# KiCad board Bongo-Cat-Fidget-Toy-panel.kicad_pcb (continued)
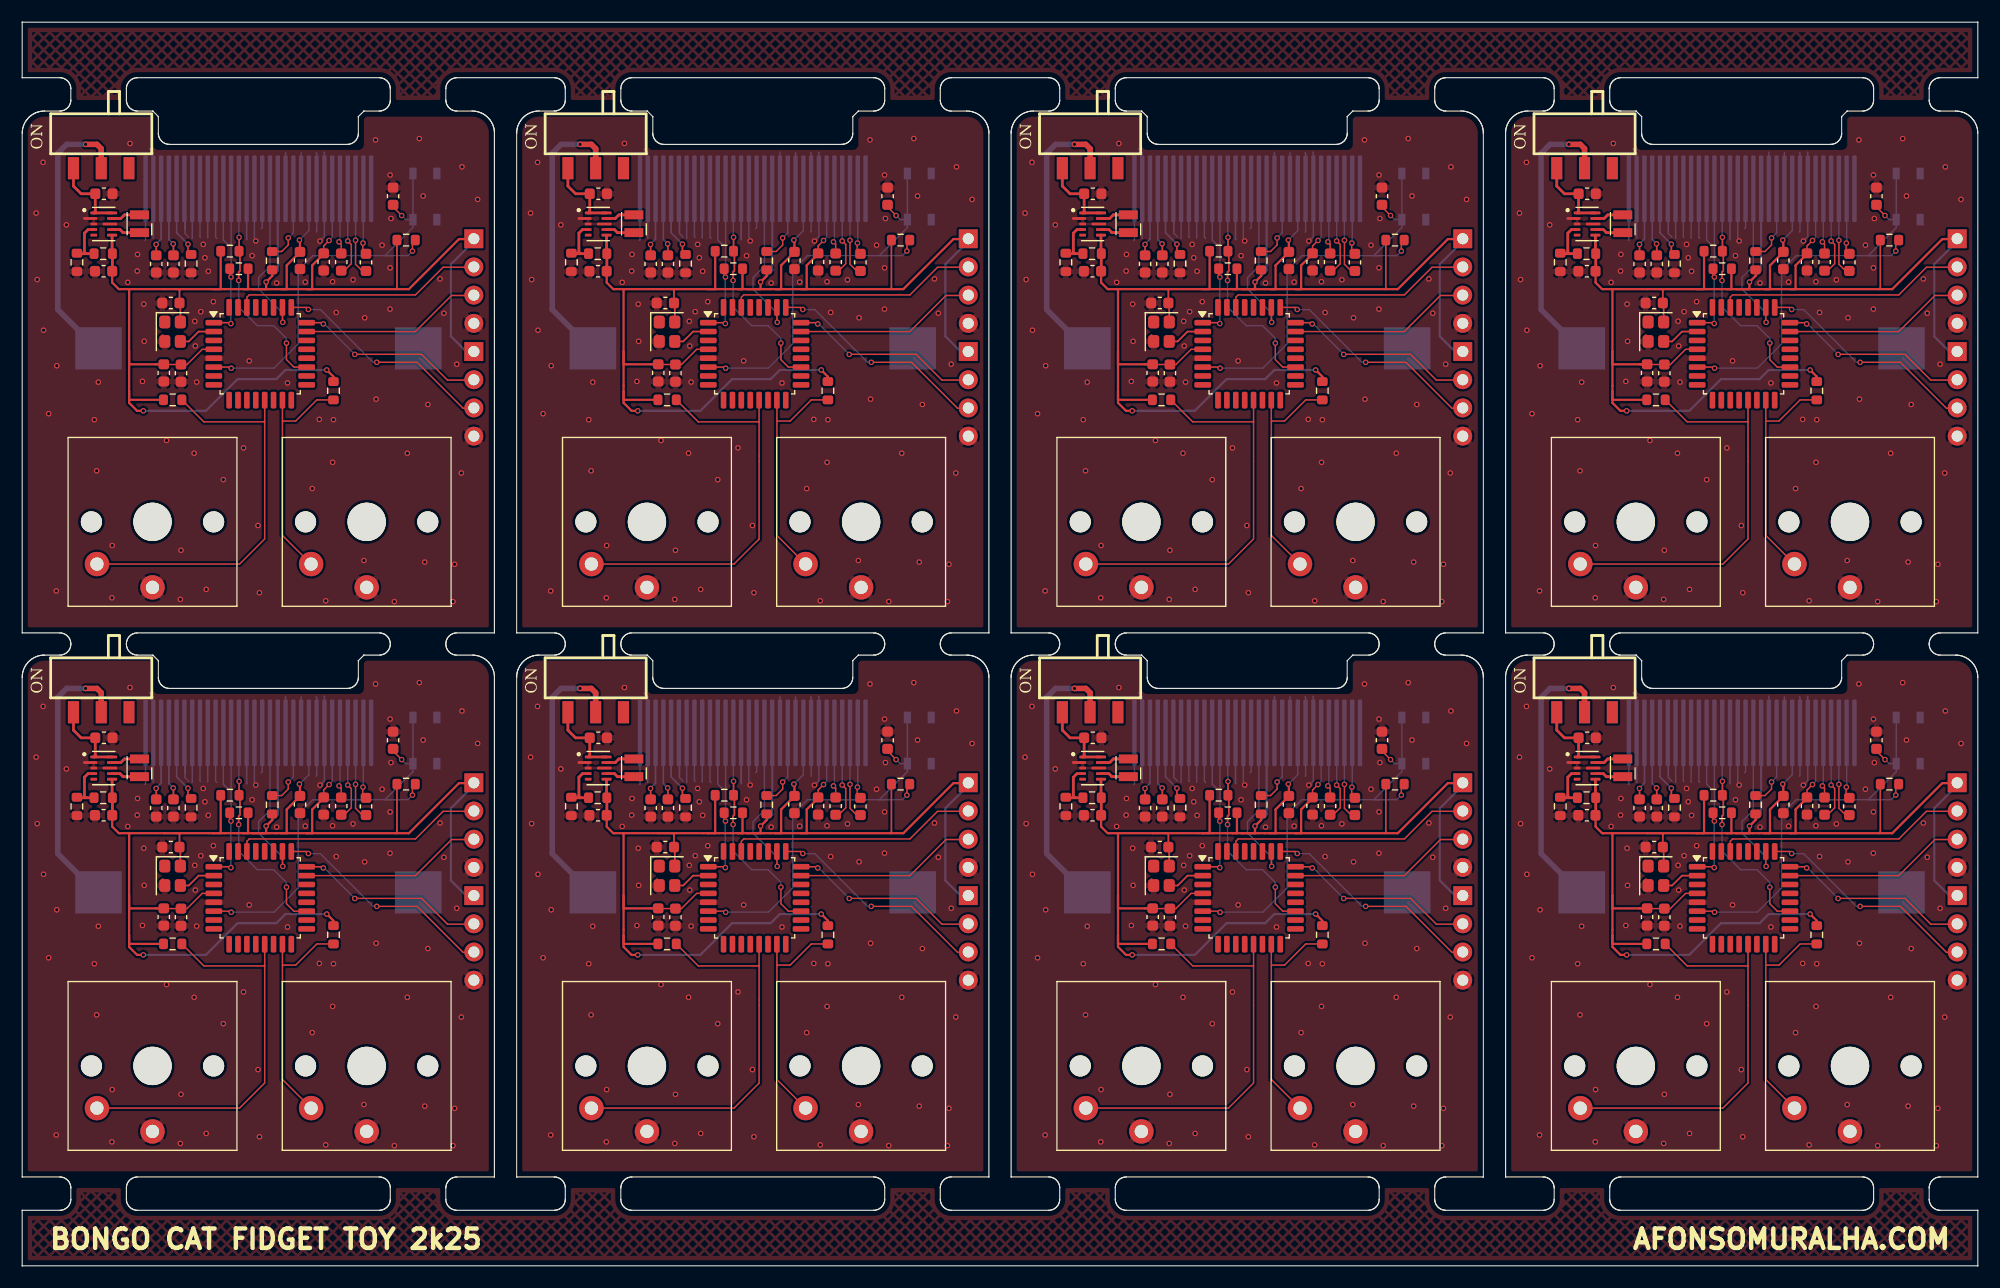
[diagram p0: board, top side]
## Routing (per net, layer and track width the routed paths; a pad name or vN(x,y) marks a point on that pad's centre or on a via; arc(x,y) is an arc through that point) (continued)
Board_1-/SWCLK: length 20.4
  Top w0.127: v1(70.25,86.13) 70.06,86.32 U1#6.25 ; v1(76.41,81.37) 80.04,81.37 84.18,77.23 85.34,77.23
  Bottom w0.127: v1(70.25,86.13) 70.26,86.12 71.33,86.12 76.08,81.37 v1(76.41,81.37)
Board_1-/SWDIO: length 17.4
  Top w0.127: U1#6.24 71.49,84.94 v1(71.6,84.83) ; 85.34,79.77 82.77,79.77 80.45,82.09 74.44,82.09 v1(74.43,82.08) ; 69.95,84.96 69.94,84.95
  Bottom w0.127: v1(71.6,84.83) 71.69,84.83 74.43,82.09 v1(74.43,82.08)
Board_1-/UART_RX: length 16.6
  Top w0.127: 85.34,87.39 83.14,87.39 79.89,84.14 U1#6.23
Board_1-/UART_TX: length 22.8
  Top w0.127: 85.34,89.93 82.38,89.93 79.89,87.44 64.93,87.44 64.72,87.23 U1#6.30 ; 64.72,86.5 64.73,86.51 64.73,86.6
Board_1-/XTAL_IN: length 3.4
  Top w0.127: 61.72,84.12 U1#6.2
  Top w0.152: Y1#5.3 59.49,83.25 60.38,84.14 U1#6.2
Board_1-GND: length 108.5
  Top w0.127: 57.13,83.83 57.16,83.83
  Top w0.25: 51,89.39 51.08,89.31 ; 50.1,94.33 U101#4.2
  Bottom w0.127: J1#6.10 69.6,100.25 ; 65.4,99.48 65.4,92.63 65.38,92.6 ; 56.3,99.26 56.3,92.57 56.28,92.55 ; 70.95,100.25 71,100.2 J1#6.8 71,93.15 70.95,93.1 ; 61.2,99.4 61.2,92.6 61.17,92.58 ; J1#6.12 68.2,100.3 ; 60.5,99.43 60.5,92.68 60.55,92.63 ; 62,92.53 61.9,92.63 61.9,99.5 ; 59.8,99.58 59.8,92.55 59.83,92.53 ; 66,93.4 66.1,93.5 J1#6.15 ; 71.65,100.3 71.7,100.25 J1#6.7 ; 59.15,95.95 59.1,96 59.1,99.45 ; 59.15,95.95 59.15,93.25 ; 59.15,95.95 59.15,92.98 59.47,92.65 ; 55.6,99.41 55.6,92.4 55.55,92.35 ; 71.7,96 71.7,92.69 v1(71.3,92.29) ; 68.2,96 68.2,99.61 ; 71,96 71,99.51 ; 69.6,96 69.6,99.64 ; 66.1,99.33 66.1,96 ; J1#6.29 56.3,100.25 55.95,100.6
  Bottom w0.15: 64.7,96 64.7,92.45 64.72,92.43 ; 64.7,96 64.73,95.97 ; 64.7,96 64.7,99.43
  vias: v1(45.75,94.81) v1(45.85,88.82) v1(46.38,99.38) v1(46.42,84.26) v1(46.88,76.74) v1(47.61,81.06) v1(47.56,60.78) v1(48.47,93.75) v1(50.99,76.2) v1(51.2,71.6) v1(51.35,79.58) v1(52.6,64.87) v1(52.57,60.16) v1(54,88.57) v1(54.2,101.08) v1(54.85,89.59) v1(54.88,91.09) v1(55.32,79.65) v1(55.44,86.61) v1(55.48,83.26) v1(57.49,74.33) v1(58.73,60.02) v1(58.79,64.44) v1(60.03,85.07) v1(59.97,73.18) v1(60.08,82.84) v1(60.2,79.59) v1(60.57,85.93) v1(60.79,91.99) v1(60.94,90.79) v1(61.06,60.92) v1(61.24,89.57) v1(61.7,86.83) v1(62.6,70.8) v1(64.42,73.66) v1(64.93,81.5) v1(65.19,90.97) v1(65.52,92.3) v1(65.72,66.67) v1(65.85,60.62) v1(67.4,88.51) v1(68.38,79.51) v1(69.97,88.6) v1(70.6,70) v1(71.24,76.23) v1(71.82,59.89) v1(72.43,88.63) v1(72.44,72.36) v1(72.51,76.2) v1(72.76,85.86) v1(74.27,88.8) v1(75.32,85.38) v1(75.25,63.52) v1(76.3,101.4) v1(76.35,78.05) v1(76.89,91.92) v1(77.61,98.24) v1(77.61,89.88) v1(77.6,86.16) v1(77.69,94.32) v1(77.99,59.82) v1(79.16,73.18) v1(80.24,101.52) v1(80.58,96.35) v1(80.73,63.38) v1(81.01,77.57) v1(82.1,88.88) v1(82.45,85.79) v1(83.27,59.82) v1(83.41,63.18) v1(83.61,81.2) v1(84.02,71.4) v1(84.08,98.97) v1(85.49,96.04)
Board_1-Net-(BT1-+): length 25.3
  Top w0.5: SW5#4.2 51.61,100.62 51.22,101 v1(50.2,101)
  Bottom w0.5: v1(50.2,101) 48.5,101 47.7,100.2 47.7,86.12 51.19,82.63 BT1#8.1
Board_1-Net-(J1-Pin_2): length 4.9
  Top w0.127: 75.15,91.14 75.15,92.09 v1(75.17,92.11)
  Bottom w0.127: 75.2,96 75.2,92.14 v1(75.17,92.11)
Board_1-Net-(J1-Pin_3): length 7
  Top w0.127: v1(74.5,92.36) 74.5,90.2 75.1,89.6 C9#7.1
  Bottom w0.127: 74.5,96 v1(74.5,92.36)
Board_1-Net-(J1-Pin_4): length 7.1
  Top w0.127: v1(73.8,92.3) 74.12,91.98 74.12,90.25 73.5,89.63 C8#7.2
  Bottom w0.127: v1(73.8,92.3) 73.8,96
Board_1-Net-(J1-Pin_5): length 4.9
  Top w0.127: C8#7.1 73.21,92.02 v1(73.01,92.22)
  Bottom w0.127: v1(73.01,92.22) 73.1,92.31 73.1,96
Board_1-Net-(J1-Pin_26): length 5.1
  Top w0.15: v1(59.42,92.01) 59.42,91.31 59.4,91.29
  Bottom w0.15: v1(59.42,92.01) 58.4,93.03 58.4,96
Board_1-Net-(J1-Pin_27): length 5.2
  Top w0.15: v1(58.09,92.04) 58.11,92.02 C12#7.2
  Bottom w0.15: 57.7,96 57.7,92.43 v1(58.09,92.04)
Board_1-Net-(J1-Pin_28): length 5.2
  Top w0.15: v1(56.55,91.99) 56.56,91.98 C13#2.2
  Bottom w0.15: 57,96 57,92.48 56.55,92.03 v1(56.55,91.99)
Board_1-Net-(SW5-C): length 7.3
  Top w0.25: U101#4.10 U101#4.1 51.08,94.96 51.08,96.55 49.8,96.55 49.11,97.24 SW5#4.1
Board_1-Net-(U101-FB): length 4.4
  Top w0.25: R4#7.1 49.47,91.16 50.22,91.16 ; 50.22,91.16 50.1,91.28 50.1,93 50.42,93.33 U101#4.4 ; 50.22,91.16 R6#3.2
Board_1-Net-(U101-L1): length 2.6
  Top w0.25: L102#4.1 53.7,94.65 53.38,94.33 U101#4.9
Board_1-Net-(U101-L2): length 2.6
  Top w0.25: U101#4.7 53.3,93.33 53.58,93.05 53.57,93.05 L102#4.2
Board_2-3V3: length 142.2
  Top w0.127: 123.04,92.38 122.75,92.09 ; v1(116.62,92.34) 116.13,91.85 C10#7.2 116.13,90.95 ; 101,81.19 101.12,81.19 101.14,81.17 C3#8.1 103.83,81.17 105.2,82.54 U1#5.4 ; 102,77.96 102.03,77.99
  Top w0.15: 122.65,87.96 122.72,88.04 122.72,92.38
  Top w0.152: 101.76,87.96 103.05,87.96 103.16,87.86 C6#7.1 103.16,86.68 103.23,86.6 Y1#4.4
  Top w0.2: R101#2.2 111.5,89.15 v1(110.95,88.6) 110.95,87.96 109.75,87.96 ; v1(99.9,77) 99.34,77 98.62,77.72 98.62,78.74 ; v1(113.95,92.38) 114,92.33 C11#5.2 114,91.3 112.8,90.1 112.8,87.96 112.3,87.96 ; R2#5.1 117.01,80.08 v1(116.41,80.68) ; R1#4.1 98.63,77.99 98.62,78 98.62,78.74 ; 98.62,78.74 98.62,82.33 ; 116.13,90.95 116.04,91.04 115.1,90.1 115.1,87.96 114.61,87.96 ; 112.3,87.96 109.75,87.96 ; 112.3,87.96 114.61,87.96 ; 108.91,87.96 109.32,87.96 R12#5.2 ; 108.91,87.96 109.75,87.96 ; 108.91,87.96 106.18,87.96 ; 106.18,87.96 97.69,87.96 97.1,88.55 C2.1 ; 106.18,87.96 106.87,87.96 R13#5.2 ; 98.62,87.96 98.62,82.33 ; 98.62,82.33 98.62,81.19 C4#3.1 ; 114.61,87.96 123.8,87.96 128.31,92.47 129.84,92.47
  Top w0.25: 97.07,89.58 C2.1 97.12,89.59 97.12,91.16 97.09,91.18 U101#8.6
  Bottom w0.127: v1(116.62,92.34) 116.9,92.62 116.9,96 ; v1(113.95,92.38) 114.8,93.23 114.8,96
  Bottom w0.2: 129.84,92.47 127.58,90.21 127.58,83.71 128.98,82.31 129.84,82.31 ; v1(99.9,77) 105.53,77 108.39,79.86 111.87,79.86 112.69,80.68 v1(116.41,80.68) ; v1(110.95,88.6) 112,89.65 112,96
Board_2-/BS1: length 5.9
  Top w0.127: v1(112.94,92.57) 112.94,91.94 112.35,91.35 R101#2.1
  Bottom w0.127: v1(112.94,92.57) 113.4,93.03 113.4,96
Board_2-/OLED_RST: length 13.7
  Top w0.127: U1#5.26 112.42,85.01 v1(112.45,84.98)
  Bottom w0.127: 111.3,96 111.3,90.03 110.28,89 110.28,87.98 112.45,85.8 v1(112.45,84.98)
Board_2-/RST: length 38.6
  Top w0.127: 124.06,92.38 124.12,92.32 v1(124.12,91.39) ; v1(107.81,80.84) 107.71,80.94 U1#5.6 ; v1(123.15,94.59) 122.38,95.36 C5#5.1
  Bottom w0.127: 124.16,98.38 124.16,94.23 ; 124.16,94.23 123.51,94.23 v1(123.15,94.59) ; 124.16,94.23 124.16,93.51 121.64,90.98 122.21,90.98 ; 122.21,90.98 115.17,90.98 113.84,89.65 113.84,83.03 111.66,80.85 107.82,80.85 v1(107.81,80.84) ; 122.21,90.98 123.71,90.98 v1(124.12,91.39)
Board_2-/SCL: length 19.4
  Top w0.127: U1#5.19 113.45,80.94 112.78,81.61 v1(112.78,83.1) ; v1(108.48,88.74) 108.4,88.82
  Top w0.152: v1(108.48,88.74) 108.48,89.5 108.59,89.62 108.59,91.39 108.52,91.47 v1(108.52,92.63)
  Bottom w0.127: v1(108.52,92.63) 108.5,92.65 108.5,96 ; v1(112.78,83.1) 112.77,83.11 112.77,83.53 111.62,84.68 110.15,84.68 108.48,86.35 v1(108.48,88.74)
  Bottom w0.15: 112.8,83.12 v1(112.78,83.1)
Board_2-/SDA: length 18.3
  Top w0.127: 106.18,84.88 U1#5.1 107.7,84.94 v1(107.78,84.86) ; 107.8,89.97 107.89,90.06
  Top w0.152: v1(107.79,89.05) 107.68,89.17 R12#5.1
  Bottom w0.127: 107.8,91.95 107.8,89.06 v1(107.79,89.05) ; 107.8,91.95 107.8,96 ; 107.8,91.95 107.53,91.95 107.1,92.38 107.1,96 ; 107.8,89.09 107.78,89.07 v1(107.78,84.86)
  Bottom w0.15: v1(107.78,84.86) 107.79,84.85
Board_2-/SW1: length 36.8
  Top w0.127: U1#5.13 110.82,76 ; 110.82,76 110.81,76.01 105.34,76.01 R1#4.2 ; 110.82,76 110.82,65.46 108.56,63.2 SW1#7.2
Board_2-/SW2: length 21.2
  Top w0.127: R2#5.2 115.51,77.99 113.61,76.08 112.45,76.08 112.42,76.05 ; 112.42,76.05 U1#5.15 ; 112.42,76.05 112.42,65.78 SW2#7.2
Board_2-/SWCLK: length 20.4
  Top w0.127: v1(120.91,81.37) 124.54,81.37 128.68,77.23 129.84,77.23 ; v1(114.75,86.13) 114.56,86.32 U1#5.25
  Bottom w0.127: v1(114.75,86.13) 114.76,86.12 115.83,86.12 120.58,81.37 v1(120.91,81.37)
Board_2-/SWDIO: length 17.4
  Top w0.127: U1#5.24 115.99,84.94 v1(116.1,84.83) ; 129.84,79.77 127.27,79.77 124.95,82.09 118.94,82.09 v1(118.93,82.08) ; 114.45,84.96 114.44,84.95
  Bottom w0.127: v1(116.1,84.83) 116.19,84.83 118.93,82.09 v1(118.93,82.08)
Board_2-/UART_RX: length 16.6
  Top w0.127: 129.84,87.39 127.64,87.39 124.39,84.14 U1#5.23
Board_2-/UART_TX: length 22.8
  Top w0.127: U1#5.30 109.22,87.23 109.43,87.44 124.39,87.44 126.88,89.93 129.84,89.93 ; 109.22,86.5 109.23,86.51 109.23,86.6
Board_2-/XTAL_IN: length 3.4
  Top w0.127: 106.22,84.12 U1#5.2
  Top w0.152: Y1#4.3 103.99,83.25 104.88,84.14 U1#5.2
Board_2-GND: length 108.5
  Top w0.127: 101.63,83.83 101.66,83.83
  Top w0.25: 95.5,89.39 95.58,89.31 ; 94.6,94.33 U101#8.2
  Bottom w0.127: 100.78,92.55 100.8,92.57 100.8,99.26 ; J1#7.15 110.6,93.5 110.5,93.4 ; 115.45,100.25 115.5,100.2 J1#7.8 115.5,93.15 115.45,93.1 ; 106.4,99.5 106.4,92.63 106.5,92.53 ; 116.2,96 116.2,92.69 v1(115.8,92.29) ; 116.15,100.3 116.2,100.25 J1#7.7 ; 110.6,99.33 110.6,96 ; 103.65,95.95 103.65,93.25 ; 103.65,95.95 103.65,92.98 103.97,92.65 ; 103.65,95.95 103.6,96 103.6,99.45 ; 100.05,92.35 100.1,92.4 100.1,99.41 ; 115.5,96 115.5,99.51 ; 105.68,92.58 105.7,92.6 105.7,99.4 ; 112.7,96 112.7,99.61 ; J1#7.10 114.1,100.25 ; 109.88,92.6 109.9,92.63 109.9,99.48 ; 100.45,100.6 100.8,100.25 J1#7.29 ; 114.1,96 114.1,99.64 ; 105.05,92.63 105,92.68 105,99.43 ; 104.3,99.58 104.3,92.55 104.32,92.53 ; J1#7.12 112.7,100.3
  Bottom w0.15: 109.22,92.43 109.2,92.45 109.2,96 ; 109.2,96 109.2,99.43 ; 109.2,96 109.23,95.97
  vias: v1(90.25,94.81) v1(90.35,88.82) v1(90.88,99.38) v1(90.92,84.26) v1(91.38,76.74) v1(92.11,81.06) v1(92.06,60.78) v1(92.97,93.75) v1(95.49,76.2) v1(95.7,71.6) v1(95.85,79.58) v1(97.1,64.87) v1(97.07,60.16) v1(98.5,88.57) v1(98.7,101.08) v1(99.35,89.59) v1(99.38,91.09) v1(99.82,79.65) v1(99.94,86.61) v1(99.98,83.26) v1(101.99,74.33) v1(103.23,60.02) v1(103.29,64.44) v1(104.53,85.07) v1(104.47,73.18) v1(104.58,82.84) v1(104.7,79.59) v1(105.07,85.93) v1(105.29,91.99) v1(105.44,90.79) v1(105.56,60.92) v1(105.74,89.57) v1(106.2,86.83) v1(107.1,70.8) v1(108.92,73.66) v1(109.43,81.5) v1(109.69,90.97) v1(110.02,92.3) v1(110.22,66.67) v1(110.35,60.62) v1(111.9,88.51) v1(112.88,79.51) v1(114.47,88.6) v1(115.1,70) v1(115.74,76.23) v1(116.32,59.89) v1(116.93,88.63) v1(116.94,72.36) v1(117.01,76.2) v1(117.26,85.86) v1(118.77,88.8) v1(119.75,63.52) v1(119.82,85.38) v1(120.8,101.4) v1(120.85,78.05) v1(121.39,91.92) v1(122.11,98.24) v1(122.11,89.88) v1(122.1,86.16) v1(122.19,94.32) v1(122.49,59.82) v1(123.66,73.18) v1(124.74,101.52) v1(125.08,96.35) v1(125.23,63.38) v1(125.51,77.57) v1(126.6,88.88) v1(126.95,85.79) v1(127.77,59.82) v1(127.91,63.18) v1(128.11,81.2) v1(128.52,71.4) v1(128.58,98.97) v1(129.99,96.04)
Board_2-Net-(BT1-+): length 25.3
  Top w0.5: SW5.2 96.11,100.62 95.72,101 v1(94.7,101)
  Bottom w0.5: BT1#3.1 95.69,82.63 92.2,86.12 92.2,100.2 93,101 v1(94.7,101)
Board_2-Net-(J1-Pin_2): length 4.9
  Top w0.127: v1(119.67,92.11) 119.65,92.09 119.65,91.14
  Bottom w0.127: v1(119.67,92.11) 119.7,92.14 119.7,96
Board_2-Net-(J1-Pin_3): length 7
  Top w0.127: C9.1 119.6,89.6 119,90.2 v1(119,92.36)
  Bottom w0.127: 119,96 v1(119,92.36)
Board_2-Net-(J1-Pin_4): length 7.1
  Top w0.127: v1(118.3,92.3) 118.62,91.98 118.62,90.25 118,89.63 C8#2.2
  Bottom w0.127: v1(118.3,92.3) 118.3,96
Board_2-Net-(J1-Pin_5): length 4.9
  Top w0.127: v1(117.51,92.22) 117.71,92.02 C8#2.1
  Bottom w0.127: 117.6,96 117.6,92.31 v1(117.51,92.22)
Board_2-Net-(J1-Pin_26): length 5.1
  Top w0.15: v1(103.92,92.01) 103.92,91.31 103.9,91.29
  Bottom w0.15: v1(103.92,92.01) 102.9,93.03 102.9,96
Board_2-Net-(J1-Pin_27): length 5.2
  Top w0.15: C12.2 102.61,92.02 v1(102.59,92.04)
  Bottom w0.15: 102.2,96 102.2,92.43 v1(102.59,92.04)
Board_2-Net-(J1-Pin_28): length 5.2
  Top w0.15: C13#8.2 101.06,91.98 v1(101.05,91.99)
  Bottom w0.15: 101.5,96 101.5,92.48 101.05,92.03 v1(101.05,91.99)
Board_2-Net-(SW5-C): length 7.3
  Top w0.25: SW5.1 93.61,97.24 94.3,96.55 C1#3.1 95.57,94.96 U101#8.1 U101#8.10
Board_2-Net-(U101-FB): length 4.4
  Top w0.25: R6#2.2 94.72,91.16 ; 94.72,91.16 94.6,91.28 94.6,93 94.93,93.33 U101#8.4 ; 94.72,91.16 93.97,91.16 R4#3.1
Board_2-Net-(U101-L1): length 2.6
  Top w0.25: U101#8.9 97.88,94.33 98.2,94.65 L102#8.1
Board_2-Net-(U101-L2): length 2.6
  Top w0.25: L102#8.2 98.07,93.05 98.07,93.05 97.8,93.33 U101#8.7
Board_3-3V3: length 142.2
  Top w0.127: U1#4.4 149.7,82.54 148.33,81.17 C3#5.1 145.64,81.17 145.62,81.19 145.5,81.19 ; 160.63,90.95 C10#8.2 160.63,91.85 v1(161.12,92.34) ; 167.54,92.38 167.25,92.09 ; 146.5,77.96 146.53,77.99
  Top w0.15: 167.22,92.38 167.22,88.04 167.15,87.96
  Top w0.152: Y1#6.4 147.73,86.6 147.66,86.68 C6#8.1 147.66,87.86 147.55,87.96 146.26,87.96
  Top w0.2: 159.11,87.96 159.6,87.96 159.6,90.1 160.54,91.04 160.63,90.95 ; 159.11,87.96 168.3,87.96 172.81,92.47 174.34,92.47 ; 159.11,87.96 156.8,87.96 ; C2#8.1 141.6,88.55 142.19,87.96 150.68,87.96 ; 154.25,87.96 155.45,87.96 v1(155.45,88.6) 156,89.15 R101#4.2 ; 154.25,87.96 156.8,87.96 ; 154.25,87.96 153.41,87.96 ; v1(160.91,80.68) 161.51,80.08 R2#3.1 ; 156.8,87.96 157.3,87.96 157.3,90.1 158.5,91.3 C11.2 158.5,92.33 v1(158.45,92.38) ; 143.12,87.96 143.12,82.33 ; 143.12,82.33 143.12,78.74 ; 143.12,82.33 143.12,81.19 C4#2.1 ; R1#2.1 143.13,77.99 143.12,78 143.12,78.74 ; 150.68,87.96 151.37,87.96 R13#7.2 ; 150.68,87.96 153.41,87.96 ; R12#3.2 153.82,87.96 153.41,87.96 ; 143.12,78.74 143.12,77.72 143.84,77 v1(144.4,77)
  Top w0.25: U101.6 141.59,91.18 141.62,91.16 141.62,89.59 C2#8.1 141.57,89.58
  Bottom w0.127: v1(161.12,92.34) 161.4,92.62 161.4,96 ; 159.3,96 159.3,93.23 v1(158.45,92.38)
  Bottom w0.2: 174.34,82.31 173.48,82.31 172.08,83.71 172.08,90.21 174.34,92.47 ; 156.5,96 156.5,89.65 v1(155.45,88.6) ; v1(160.91,80.68) 157.19,80.68 156.37,79.86 152.89,79.86 150.03,77 v1(144.4,77)
Board_3-/BS1: length 5.9
  Top w0.127: R101#4.1 156.85,91.35 157.44,91.94 v1(157.44,92.57)
  Bottom w0.127: 157.9,96 157.9,93.03 v1(157.44,92.57)
Board_3-/OLED_RST: length 13.7
  Top w0.127: U1#4.26 156.92,85.01 v1(156.95,84.98)
  Bottom w0.127: v1(156.95,84.98) 156.95,85.8 154.78,87.98 154.78,89 155.8,90.03 155.8,96
Board_3-/RST: length 38.6
  Top w0.127: v1(168.62,91.39) 168.62,92.32 168.56,92.38 ; U1#4.6 152.21,80.94 v1(152.31,80.84) ; v1(167.65,94.59) 166.88,95.36 C5#8.1
  Bottom w0.127: 168.66,94.23 168.66,93.51 166.14,90.98 166.71,90.98 ; 168.66,94.23 168.66,98.38 ; 168.66,94.23 168.01,94.23 v1(167.65,94.59) ; 166.71,90.98 159.67,90.98 158.34,89.65 158.34,83.03 156.16,80.85 152.32,80.85 v1(152.31,80.84) ; 166.71,90.98 168.21,90.98 v1(168.62,91.39)
Board_3-/SCL: length 19.4
  Top w0.127: v1(157.28,83.1) 157.28,81.61 157.95,80.94 U1#4.19 ; v1(152.98,88.74) 152.9,88.82
  Top w0.152: v1(153.02,92.63) 153.02,91.47 153.09,91.39 153.09,89.62 152.98,89.5 v1(152.98,88.74)
  Bottom w0.127: v1(153.02,92.63) 153,92.65 153,96 ; v1(157.28,83.1) 157.27,83.11 157.27,83.53 156.12,84.68 154.65,84.68 152.98,86.35 v1(152.98,88.74)
  Bottom w0.15: 157.3,83.12 v1(157.28,83.1)
Board_3-/SDA: length 18.3
  Top w0.127: 150.68,84.88 U1#4.1 152.2,84.94 v1(152.28,84.86) ; 152.3,89.97 152.39,90.06
  Top w0.152: v1(152.29,89.05) 152.18,89.17 R12#3.1
  Bottom w0.127: v1(152.28,84.86) 152.28,89.07 152.3,89.09 ; v1(152.29,89.05) 152.3,89.06 152.3,91.95 ; 152.3,91.95 152.03,91.95 151.6,92.38 151.6,96 ; 152.3,91.95 152.3,96
  Bottom w0.15: v1(152.28,84.86) 152.29,84.85
Board_3-/SW1: length 36.8
  Top w0.127: SW1#6.2 153.06,63.2 155.32,65.46 155.32,76 ; 155.32,76 U1#4.13 ; 155.32,76 155.31,76.01 149.84,76.01 R1#2.2
Board_3-/SW2: length 21.2
  Top w0.127: 156.92,76.05 156.92,65.78 SW2#3.2 ; 156.92,76.05 156.95,76.08 158.11,76.08 160.01,77.99 R2#3.2 ; 156.92,76.05 U1#4.15
Board_3-/SWCLK: length 20.4
  Top w0.127: v1(165.41,81.37) 169.04,81.37 173.18,77.23 174.34,77.23 ; v1(159.25,86.13) 159.06,86.32 U1#4.25
  Bottom w0.127: v1(165.41,81.37) 165.08,81.37 160.33,86.12 159.26,86.12 v1(159.25,86.13)
Board_3-/SWDIO: length 17.4
  Top w0.127: v1(160.6,84.83) 160.49,84.94 U1#4.24 ; 158.95,84.96 158.94,84.95 ; 174.34,79.77 171.77,79.77 169.45,82.09 163.44,82.09 v1(163.43,82.08)
  Bottom w0.127: v1(163.43,82.08) 163.43,82.09 160.69,84.83 v1(160.6,84.83)
Board_3-/UART_RX: length 16.6
  Top w0.127: U1#4.23 168.89,84.14 172.14,87.39 174.34,87.39
Board_3-/UART_TX: length 22.8
  Top w0.127: 153.73,86.6 153.73,86.51 153.72,86.5 ; U1#4.30 153.72,87.23 153.93,87.44 168.89,87.44 171.38,89.93 174.34,89.93
Board_3-/XTAL_IN: length 3.4
  Top w0.127: 150.72,84.12 U1#4.2
  Top w0.152: U1#4.2 149.38,84.14 148.49,83.25 Y1#6.3
Board_3-GND: length 108.5
  Top w0.127: 146.13,83.83 146.16,83.83
  Top w0.25: 140,89.39 140.08,89.31 ; 139.1,94.33 U101.2
  Bottom w0.127: 148.1,99.45 148.1,96 148.15,95.95 ; 155.1,99.33 155.1,96 ; 144.55,92.35 144.6,92.4 144.6,99.41 ; 148.15,95.95 148.15,92.98 148.47,92.65 ; 148.15,95.95 148.15,93.25 ; 157.2,96 157.2,99.61 ; 160.65,100.3 160.7,100.25 J1#5.7 ; v1(160.3,92.29) 160.7,92.69 160.7,96 ; J1#5.10 158.6,100.25 ; 144.95,100.6 145.3,100.25 J1#5.29 ; J1#5.12 157.2,100.3 ; 158.6,96 158.6,99.64 ; 150.2,99.4 150.2,92.6 150.18,92.58 ; 150.9,99.5 150.9,92.63 151,92.53 ; 145.28,92.55 145.3,92.57 145.3,99.26 ; 149.55,92.63 149.5,92.68 149.5,99.43 ; 154.38,92.6 154.4,92.63 154.4,99.48 ; 148.82,92.53 148.8,92.55 148.8,99.58 ; 159.95,100.25 160,100.2 J1#5.8 160,93.15 159.95,93.1 ; J1#5.15 155.1,93.5 155,93.4 ; 160,96 160,99.51
  Bottom w0.15: 153.7,96 153.7,99.43 ; 153.7,96 153.73,95.97 ; 153.7,96 153.7,92.45 153.72,92.43
  vias: v1(134.75,94.81) v1(134.85,88.82) v1(135.38,99.38) v1(135.42,84.26) v1(135.88,76.74) v1(136.61,81.06) v1(136.56,60.78) v1(137.47,93.75) v1(139.99,76.2) v1(140.2,71.6) v1(140.35,79.58) v1(141.6,64.87) v1(141.57,60.16) v1(143,88.57) v1(143.2,101.08) v1(143.85,89.59) v1(143.88,91.09) v1(144.32,79.65) v1(144.44,86.61) v1(144.48,83.26) v1(146.49,74.33) v1(147.73,60.02) v1(147.79,64.44) v1(149.03,85.07) v1(148.97,73.18) v1(149.08,82.84) v1(149.2,79.59) v1(149.57,85.93) v1(149.79,91.99) v1(149.94,90.79) v1(150.06,60.92) v1(150.24,89.57) v1(150.7,86.83) v1(151.6,70.8) v1(153.42,73.66) v1(153.93,81.5) v1(154.19,90.97) v1(154.52,92.3) v1(154.72,66.67) v1(154.85,60.62) v1(156.4,88.51) v1(157.38,79.51) v1(158.97,88.6) v1(159.6,70) v1(160.24,76.23) v1(160.82,59.89) v1(161.43,88.63) v1(161.44,72.36) v1(161.51,76.2) v1(161.76,85.86) v1(163.27,88.8) v1(164.32,85.38) v1(164.25,63.52) v1(165.3,101.4) v1(165.35,78.05) v1(165.89,91.92) v1(166.61,98.24) v1(166.61,89.88) v1(166.6,86.16) v1(166.69,94.32) v1(166.99,59.82) v1(168.16,73.18) v1(169.24,101.52) v1(169.58,96.35) v1(169.73,63.38) v1(170.01,77.57) v1(171.1,88.88) v1(171.45,85.79) v1(172.27,59.82) v1(172.41,63.18) v1(172.61,81.2) v1(173.02,71.4) v1(173.08,98.97) v1(174.49,96.04)
Board_3-Net-(BT1-+): length 25.3
  Top w0.5: SW5#5.2 140.61,100.62 140.22,101 v1(139.2,101)
  Bottom w0.5: v1(139.2,101) 137.5,101 136.7,100.2 136.7,86.12 140.19,82.63 BT1#5.1
Board_3-Net-(J1-Pin_2): length 4.9
  Top w0.127: v1(164.17,92.11) 164.15,92.09 164.15,91.14
  Bottom w0.127: 164.2,96 164.2,92.14 v1(164.17,92.11)
Board_3-Net-(J1-Pin_3): length 7
  Top w0.127: C9#4.1 164.1,89.6 163.5,90.2 v1(163.5,92.36)
  Bottom w0.127: 163.5,96 v1(163.5,92.36)
Board_3-Net-(J1-Pin_4): length 7.1
  Top w0.127: C8#8.2 162.5,89.63 163.12,90.25 163.12,91.98 v1(162.8,92.3)
  Bottom w0.127: v1(162.8,92.3) 162.8,96
Board_3-Net-(J1-Pin_5): length 4.9
  Top w0.127: v1(162.01,92.22) 162.21,92.02 C8#8.1
  Bottom w0.127: v1(162.01,92.22) 162.1,92.31 162.1,96
Board_3-Net-(J1-Pin_26): length 5.1
  Top w0.15: v1(148.42,92.01) 148.42,91.31 148.4,91.29
  Bottom w0.15: 147.4,96 147.4,93.03 v1(148.42,92.01)
Board_3-Net-(J1-Pin_27): length 5.2
  Top w0.15: C12#6.2 147.11,92.02 v1(147.09,92.04)
  Bottom w0.15: v1(147.09,92.04) 146.7,92.43 146.7,96
Board_3-Net-(J1-Pin_28): length 5.2
  Top w0.15: v1(145.55,91.99) 145.56,91.98 C13.2
  Bottom w0.15: 146,96 146,92.48 145.55,92.03 v1(145.55,91.99)
Board_3-Net-(SW5-C): length 7.3
  Top w0.25: U101.10 U101.1 140.07,94.96 C1#4.1 138.8,96.55 138.11,97.24 SW5#5.1
Board_3-Net-(U101-FB): length 4.4
  Top w0.25: R4#2.1 138.47,91.16 139.22,91.16 ; 139.22,91.16 R6#4.2 ; 139.22,91.16 139.1,91.28 139.1,93 139.43,93.33 U101.4
Board_3-Net-(U101-L1): length 2.6
  Top w0.25: L102#5.1 142.7,94.65 142.38,94.33 U101.9
Board_3-Net-(U101-L2): length 2.6
  Top w0.25: L102#5.2 142.57,93.05 142.57,93.05 142.3,93.33 U101.7
Board_4-3V3: length 142.2
  Top w0.127: 12,32.19 12.12,32.19 12.14,32.17 C3#2.1 14.83,32.17 16.2,33.54 U1#2.4 ; 27.13,41.95 C10#4.2 27.13,42.85 v1(27.62,43.34) ; 34.04,43.38 33.75,43.09 ; 13,28.96 13.03,28.99
  Top w0.15: R8#5.1 33.72,39.04 33.65,38.96
  Top w0.152: Y1#8.4 14.23,37.6 14.16,37.68 C6#3.1 14.16,38.86 14.05,38.96 12.76,38.96
  Top w0.2: C2#3.1 8.1,39.55 8.69,38.96 17.18,38.96 ; R101.2 22.5,40.15 v1(21.95,39.6) 21.95,38.96 20.75,38.96 ; 17.18,38.96 19.91,38.96 ; 17.18,38.96 17.86,38.96 R13#2.2 ; 40.84,43.47 39.31,43.47 34.8,38.96 25.61,38.96 ; R1#3.1 9.63,28.99 9.62,29 9.62,29.74 ; v1(10.9,28) 10.34,28 9.62,28.72 9.62,29.74 ; 9.62,29.74 9.62,33.33 ; R12#6.2 20.33,38.96 19.91,38.96 ; 23.3,38.96 23.8,38.96 23.8,41.1 25,42.3 C11#3.2 25,43.33 v1(24.95,43.38) ; 23.3,38.96 20.75,38.96 ; 23.3,38.96 25.61,38.96 ; 9.62,38.96 9.62,33.33 ; 9.62,33.33 9.62,32.19 C4#4.1 ; 19.91,38.96 20.75,38.96 ; 25.61,38.96 26.1,38.96 26.1,41.1 27.04,42.04 27.13,41.95 ; R2#8.1 28.01,31.08 v1(27.41,31.68)
  Top w0.25: U101#2.6 8.09,42.18 R6#6.1 8.11,40.59 C2#3.1 8.08,40.58
  Bottom w0.127: v1(24.95,43.38) 25.8,44.23 25.8,47 ; v1(27.62,43.34) 27.9,43.62 27.9,47
  Bottom w0.2: 40.84,43.47 38.58,41.21 38.58,34.71 39.98,33.31 40.84,33.31 ; v1(21.95,39.6) 23,40.65 23,47 ; v1(10.9,28) 16.53,28 19.39,30.86 22.87,30.86 23.69,31.68 v1(27.41,31.68)
Board_4-/BS1: length 5.9
  Top w0.127: v1(23.94,43.57) 23.94,42.94 23.35,42.35 R101.1
  Bottom w0.127: 24.4,47 24.4,44.03 v1(23.94,43.57)
Board_4-/OLED_RST: length 13.7
  Top w0.127: v1(23.45,35.98) 23.42,36.01 U1#2.26
  Bottom w0.127: 22.3,47 22.3,41.03 21.28,40 21.28,38.98 23.45,36.8 v1(23.45,35.98)
Board_4-/RST: length 38.6
  Top w0.127: 35.06,43.38 35.12,43.32 v1(35.12,42.39) ; v1(34.15,45.59) 33.38,46.36 C5.1 ; v1(18.81,31.84) 18.71,31.94 U1#2.6
  Bottom w0.127: v1(34.15,45.59) 34.51,45.23 SW3#5.3 ; v1(35.12,42.39) 34.71,41.98 33.21,41.98 ; 33.21,41.98 32.64,41.98 35.17,44.51 SW3#5.3 ; 33.21,41.98 26.17,41.98 24.84,40.65 24.84,34.03 22.66,31.85 18.82,31.85 v1(18.81,31.84) ; SW3#5.3 SW3#5.4
Board_4-/SCL: length 19.4
  Top w0.127: v1(23.78,34.1) 23.78,32.61 24.45,31.94 U1#2.19 ; v1(19.48,39.74) 19.4,39.82
  Top w0.152: v1(19.48,39.74) 19.48,40.5 19.59,40.62 19.59,42.39 19.52,42.47 v1(19.52,43.63)
  Bottom w0.127: v1(19.52,43.63) 19.5,43.65 19.5,47 ; v1(23.78,34.1) 23.77,34.11 23.77,34.53 22.62,35.68 21.15,35.68 19.48,37.35 v1(19.48,39.74)
  Bottom w0.15: 23.8,34.12 v1(23.78,34.1)
Board_4-/SDA: length 18.3
  Top w0.127: v1(18.78,35.86) 18.7,35.94 U1#2.1 17.18,35.88 ; 18.8,40.97 18.89,41.06
  Top w0.152: R12#6.1 18.67,40.17 v1(18.79,40.05)
  Bottom w0.127: 18.8,40.09 18.78,40.07 v1(18.78,35.86) ; 18.8,42.95 18.53,42.95 18.1,43.38 18.1,47 ; 18.8,42.95 18.8,40.06 v1(18.79,40.05) ; 18.8,42.95 18.8,47
  Bottom w0.15: v1(18.78,35.86) 18.79,35.85
Board_4-/SW1: length 36.8
  Top w0.127: U1#2.13 21.82,27 ; 21.82,27 21.81,27.01 16.34,27.01 R1#3.2 ; 21.82,27 21.82,16.46 19.56,14.2 SW1#8.2
Board_4-/SW2: length 21.2
  Top w0.127: 23.42,27.05 23.42,16.78 SW2#2.2 ; 23.42,27.05 23.45,27.08 24.61,27.08 26.52,28.99 R2#8.2 ; 23.42,27.05 U1#2.15
Board_4-/SWCLK: length 20.4
  Top w0.127: v1(25.75,37.13) 25.56,37.32 U1#2.25 ; 40.84,28.23 39.68,28.23 35.54,32.37 v1(31.91,32.37)
  Bottom w0.127: v1(31.91,32.37) 31.58,32.37 26.83,37.12 25.76,37.12 v1(25.75,37.13)
Board_4-/SWDIO: length 17.4
  Top w0.127: 25.45,35.96 25.44,35.95 ; v1(29.93,33.08) 29.94,33.09 35.95,33.09 38.27,30.77 40.84,30.77 ; v1(27.1,35.83) 26.99,35.94 U1#2.24
  Bottom w0.127: v1(27.1,35.83) 27.19,35.83 29.93,33.09 v1(29.93,33.08)
Board_4-/UART_RX: length 16.6
  Top w0.127: 40.84,38.39 38.64,38.39 35.39,35.14 U1#2.23
Board_4-/UART_TX: length 22.8
  Top w0.127: 20.23,37.6 20.23,37.51 20.22,37.5 ; 40.84,40.93 37.88,40.93 35.39,38.44 20.43,38.44 20.22,38.23 U1#2.30
Board_4-/XTAL_IN: length 3.4
  Top w0.127: 17.22,35.12 U1#2.2
  Top w0.152: Y1#8.3 14.99,34.25 15.88,35.14 U1#2.2
Board_4-GND: length 108.5
  Top w0.127: 12.63,34.83 12.66,34.83
  Top w0.25: 6.5,40.39 6.58,40.31 ; 5.6,45.33 U101#2.2
  Bottom w0.127: 11.8,50.26 11.8,43.57 11.78,43.55 ; 25.1,47 25.1,50.64 ; 27.2,47 27.2,43.69 v1(26.8,43.29) ; 26.5,47 26.5,50.51 ; 15.33,43.53 15.3,43.55 15.3,50.58 ; 27.15,51.3 27.2,51.25 J1#3.7 ; 14.65,46.95 14.65,44.25 ; 14.65,46.95 14.6,47 14.6,50.45 ; 14.65,46.95 14.65,43.98 14.97,43.65 ; 23.7,47 23.7,50.61 ; 11.05,43.35 11.1,43.4 11.1,50.41 ; 26.45,44.1 26.5,44.15 J1#3.8 26.5,51.2 26.45,51.25 ; 20.88,43.6 20.9,43.63 20.9,50.48 ; 16.05,43.63 16,43.68 16,50.43 ; 21.6,50.33 21.6,47 ; 17.5,43.53 17.4,43.63 17.4,50.5 ; 21.5,44.4 21.6,44.5 J1#3.15 ; J1#3.12 23.7,51.3 ; 11.45,51.6 11.8,51.25 J1#3.29 ; 16.67,43.58 16.7,43.6 16.7,50.4 ; J1#3.10 25.1,51.25